# Altium PCB RTM_SFP.PcbDoc (part 2 of 5)
Units mm, origin at the board's own origin, x right, y up, seen from the top; angles counter-clockwise.
Board outline 182.5 x 148.5 mm, 4 copper layers (Top Layer, MidPlane_1, MidPlane_2, Bottom Layer), stack 1.614 mm thick; 376 components, 325 nets, 1560 pads, 1463 vias.
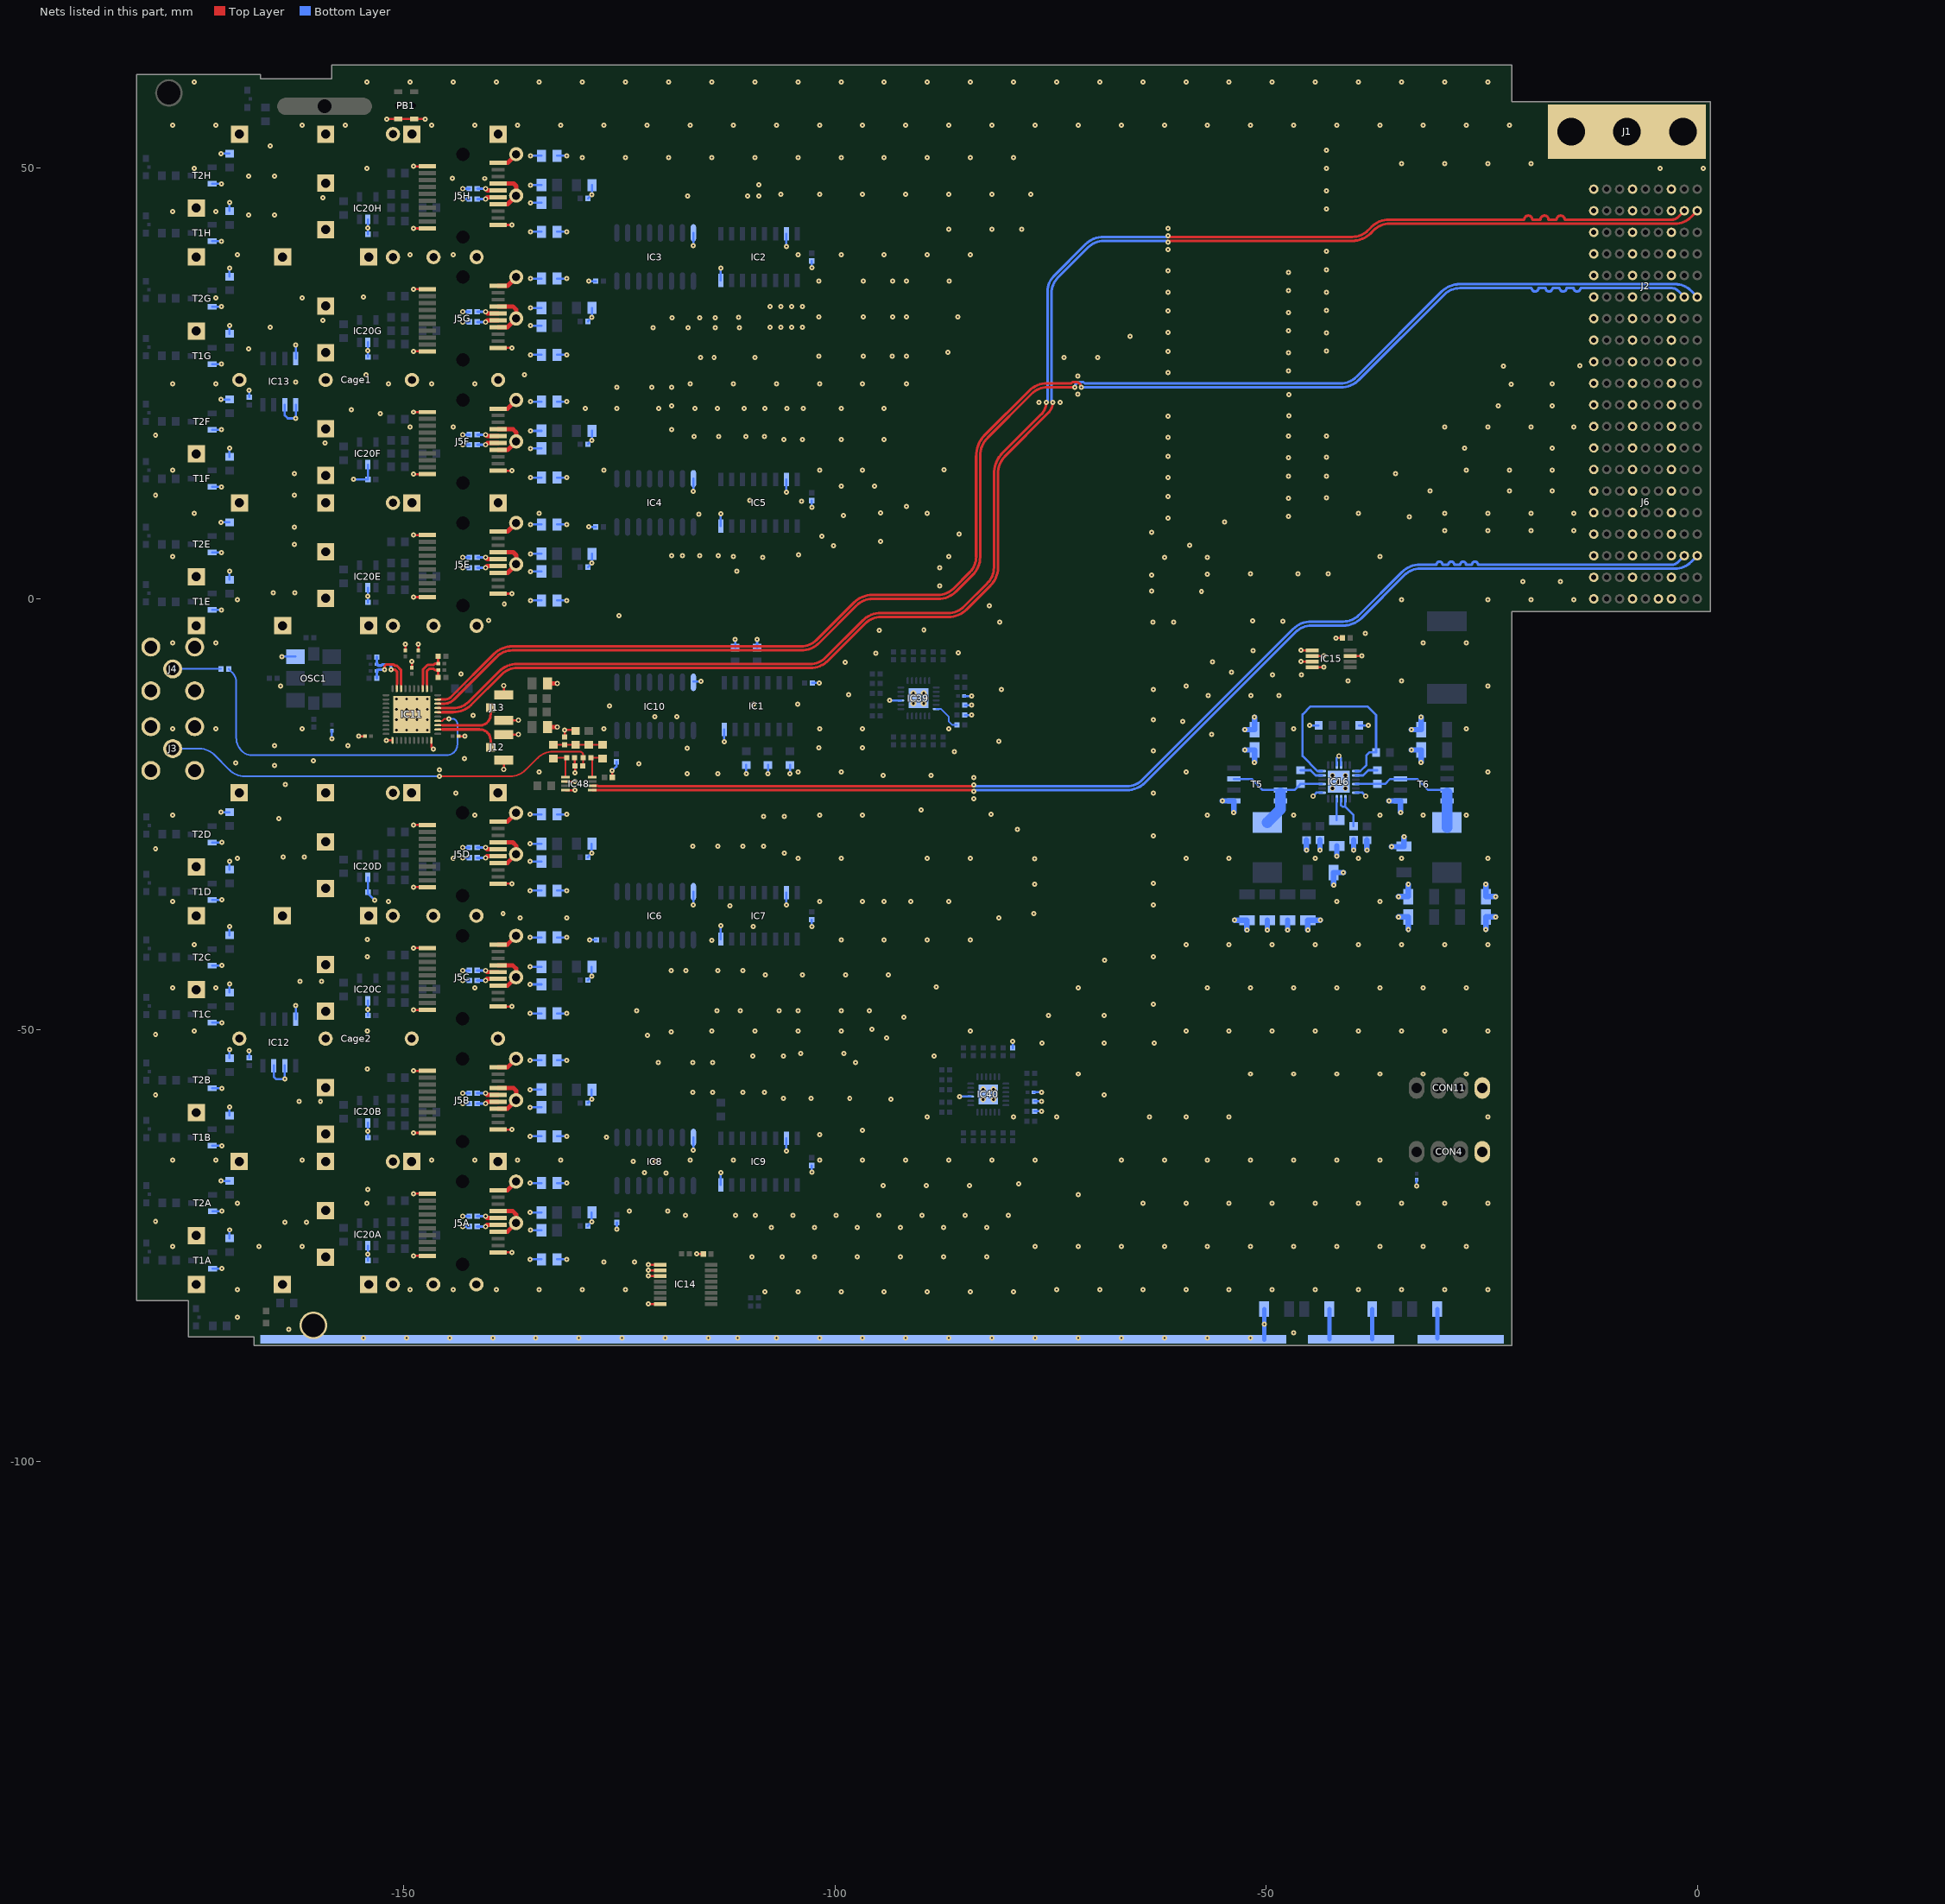
[diagram p4: the nets of this part, all layers, seen from the top]

## Footprints (in the part's own frame and the unit in brackets; to place one, negate y for a bottom-side part, rotate by r counter-clockwise, add the part's x,y. Pads: shape width x height; smd on the part's side, far side on the other; paste and mask are expansions set on the pad) (continued)
US8 [mm] "SOP, 0.50mm pitch; 8 pin, 2.30mm W X 2.00mm L X 0.90mm H body, PC Medium Density"
  rect 1x0.3 smd: 1(-1.55,0.75) 2(-1.55,0.25) 3(-1.55,-0.25) 4(-1.55,-0.75) 5(1.55,-0.75) 6(1.55,-0.25) 7(1.55,0.25) 8(1.55,0.75)
  silkscreen extent -1.82,-1 0.8,1.52, body extent -1.62,-1 1.62,1, height 0.9

## Part data
C1 C2 C3 C4 C5 C6 C7 C8 C16 C17 C18 C19 C20 C21 C22 C23 C25 C26 C27 C186A C186B C186C C186D C186E C186F C186G C186H C202A C202B C202C C202D C202E C202F C202G C202H C214A C214B C214C C214D C214E C214F C214G C214H C228A C228B C228C C228D C228E C228F C228G C228H: library part CC0402_100NF_16V_10%_X7R, "Non-polarised capacitor"
C9 C10 C12 C14: library part CC1206_10UF_16V_10%_X7R, "Non-polarised capacitor"
C11 C280: library part CC0603_100NF_50V_10%_X7R, "Non-polarised capacitor"
C13A C13B C13C C13D C13E C13F C13G C13H C24 C219A C219B C219C C219D C219E C219F C219G C219H C220A C220B C220C C220D C220E C220F C220G C220H C390: library part CC0805_10UF_10V_10%_X7R, "Non-polarised capacitor"
C15 C176 C179 C180 C181 C182 C207 C208 C209 C210 C213: library part CC1206_22UF_10V_10%_X7R, "Non-polarised capacitor"
C84 C386: library part CC0603_1UF_16V_10%_X7R, "Non-polarised capacitor"
C391 C392 C393 C394 C395 C396 C397 C399 C400 C401 C402 C403 C404: library part CC0201_100NF_6.3V_10%_X5R, "Non-polarised capacitor"
Cage1 Cage2: library part TYCO_2007132-1, "SFP+  1x4 Cage (46 Pins)"
CON4 CON11: library part CON_4_2.54_key
F1: library part FUSR_TYCO_SMD150F-2, "Fuse"
IC1: "Hex Inverter"
IC2 IC5 IC7 IC9: "8-Bit Parallel-In/Serial Out Shift Register"
IC3 IC4 IC6 IC8 IC10: library part 4094, "shift register"
IC11: library part CLOCK_CDCLVD1212, "Low Jitter, 2-Input Selectable 1:12 Universal-to-LVDS Buffer"
IC12 IC13: library part SENS_LM75, "I2C temperature sensor"
IC14: library part PCA9554D, "8-bit I2C-bus SMBus I/O port with interrupt"
IC15: "64K I2C Serial EEPROM"
IC16: "Dual Synchronous Step-Down Controller For Low Voltage Power Rails"
IC20A IC20B IC20C IC20D IC20E IC20F IC20G IC20H: "High-Speed Differential Line Receiver"
IC39 IC40: library part IIC_MUX_MAX7357ETG+, "8-channel I2C-bus multiplexer with reset, INT and timeout"
IC48: library part IFC_FIN1101K8X, "LVDS TO LVDS repeater3.3V"
J1: library part TYCO_1469265-1, "Single Pin Male"
J2 J6: library part TYCO_6469183-1, "Connector 60 ATCA Male 30 Pairs (60 Signals) + 3x10 Ground"
J3 J4: library part HUBER-SUHNER_85_SMA-50-0-101/111_NE
J5A J5B J5C J5D J5E J5F J5G J5H: library part TYCO_1888247-1, "20 Position SFP+ Connector (Small Form-factor Pluggable)"
J12 J13: library part HIROSE_U.FL-R-SMT-1(10)
L1 L2: library part IND2525_1.5UH_20%_VISHAY_IHLP-2525CZ, "Inductor With Magnetic core"
L5A L5B L5C L5D L5E L5F L5G L5H L11A L11B L11C L11D L11E L11F L11G L11H: library part IND0805_MURATA_BLM21PG221SN1D, "Inductor"
L19 L20: library part IND0603_TDK_MPZ1608R391A, "Inductor"
LD1A LD1B LD1C LD1D LD1E LD1F LD1G LD1H LDx: library part LED_AVAGO_HSME-C120, "LED Green 1C 2A"
LD2A LD2B LD2C LD2D LD2E LD2F LD2G LD2H: library part LED_AVAGO_HSMC-C120, "LED Red 1C 2A"
LDy: library part LED_AVAGO_HSME-C120, "LED BLUE"
LED17: library part LED_0603R, "LED 0603 red"
OSC1: library part OSC_10-280MHZ_SILICON-LAB_Si570BBC000121DG, "Any-Rate I2C Programmable XO Oscillator Si570 Serie"
PB1: library part SW_C&K_HDT0001, "Push-Button Switch SPDT"
R1A R1B R1C R1D R1E R1F R1G R1H R7 R8 R9 R11A R11B R11C R11D R11E R11F R11G R11H: library part R0603_330R_1%_0.1W_100PPM, "Resistor - 1%"
R2 R3 R4 R5 R6 R13 R105A R105B R105C R105D R105E R105F R105G R105H R109A R109B R109C R109D R109E R109F R109G R109H: library part R0603_100R_1%_0.1W_100PPM, "Resistor - 1%"
R10A R10B R10C R10D R10E R10F R10G R10H R12A R12B R12C R12D R12E R12F R12G R12H R400A R400B R400C R400D R400E R400F R400G R400H R403A R403B R403C R403D R403E R403F R403G R403H R404A R404B R404C R404D R404E R404F R404G R404H: library part R0603_10K_1%_0.1W_100PPM, "Resistor - 1%"
R14 R15 R16 R28 R29 R309 R310 R311 R316 R317 R318 R319 R320 R321 R322 R323 R324 R325 R326 R327 R328 R329 R330 R331 R332 R333 R334 R335 R336 R337 R338 R339 R340 R341 R342 R343 R344 R345 R346 R347 R348 R349 R350 R351 R352 R353 R354 R355 R356 R357: library part R0402_10K_1%_0.0625W_100PPM, "Resistor - 1%"
R17 R195: library part R0603_6K8_1%_0.1W_100PPM, "Resistor - 1%"
R18 R54: library part R0603_1K3_1%_0.1W_100PPM, "Resistor - 1%"
R19 R20 R21 R22: library part R1206_1M_1%_0.25W_100PPM, "Resistor - 1%"
R23 R24 R25 R26 R27 R246: library part R0603_5K1_1%_0.1W_100PPM, "Resistor - 1%"
R53 R391: library part R0603_4K3_1%_0.1W_100PPM, "Resistor - 1%"
R107A R107B R107C R107D R107E R107F R107G R107H: library part R0603_0R_JUMPER, "Resistor - 1%"
R211: library part RES_0402, "SMD Resistor"
R248: library part R0603_3K_1%_0.1W_100PPM, "Resistor - 1%"
R312 R313 R314 R315: library part R0402_49R9_1%_0.0625W_100PPM, "Resistor - 1%"
T1A T1B T1C T1D T1E T1F T1G T1H T2A T2B T2C T2D T2E T2F T2G T2H: "N-CHANNEL MOSFET WITH DIODE"
T5 T6: "Dual SO-8 MOSFET For POL Cconverter"

## Free pads (board coordinates)
  oval 11x2 hole 1.6 slot 10.6 at 0 deg: 0(-159.201,57.111)
  rect 10x1 smd far side paste-2540 mask+0.254: ESD_STRIP_SEGMENT_1(-40.15,-85.864) ESD_STRIP_SEGMENT_2(-27.45,-85.864)
  rect 119x1 smd far side paste-2540 mask+0.254: ESD_STRIP_SEGMENT_3(-107.151,-85.864)
  round 3.2 hole 2.7: MH1(-177.251,58.661) MH2(-160.501,-84.239)

## Via types
v1: diameter 0.6, hole 0.2, Top Layer to Bottom Layer, tented both sides, 1383 vias
v2: diameter 0.6, hole 0.3, Top Layer to Bottom Layer, tented both sides, 51 vias
v3: diameter 0.66, hole 0.33, Top Layer to Bottom Layer, tented top, 24 vias
v4: diameter 0.6, hole 0.4, Top Layer to Bottom Layer, tented both sides, 5 vias

## Nets (pads, with @x,y where several pads share a name; then routed paths per layer and width w, separated by ;. In a path a pad name is that pad's centre, name@x,y a point inside that pad or via, vN(x,y) a via of type N, cw(c..) or ccw(c..) an arc to the next point about the centre after c; other vN are vias at no path point)
CLK_EXT_N: IC48.5 J6.A3 | length 139
  Top Layer w0.305: IC48.5@-128.15,-22.19 -127.491,-22.19 -127.471,-22.17 -84.078,-22.17 v1(-83.93,-22.318)
  Bottom Layer w0.305: v1(-83.93,-22.318) -83.782,-22.17 -66.134,-22.17 ccw(c-66.134,-19.2) -64.034,-21.3 -46.567,-3.833 cw(c-44.771,-5.629) -44.771,-3.089 -41.046,-3.089 ccw(c-41.046,-0.093) -38.928,-2.212 -33.947,2.769 cw(c-32.151,0.973) -32.151,3.513 -2.539,3.513 ccw(c-2.539,6.053) -0.743,4.257 J6.A3@0,5
CLK_EXT_P: IC48.6 J6.B3 | length 138.9
  Top Layer w0.305: IC48.6@-128.15,-21.69 -127.491,-21.69 -127.468,-21.713 -84.078,-21.713 v1(-83.93,-21.565)
  Bottom Layer w0.305: v1(-83.93,-21.565) -83.782,-21.713 -66.145,-21.713 ccw(c-66.145,-19.173) -64.349,-20.969 -46.883,-3.503 cw(c-44.78,-5.606) -44.78,-2.632 -41.047,-2.632 ccw(c-41.047,-0.092) -39.251,-1.888 -34.271,3.092 cw(c-32.151,0.973) -32.151,3.97 -30.24,3.97 cw(c-29.897,3.97) -29.554,3.97 -28.868,3.97 cw(c-28.526,3.97) -28.183,3.97 -27.497,3.97 cw(c-27.154,3.97) -26.811,3.97 -26.125,3.97 cw(c-25.782,3.97) -25.439,3.97 -24.83,3.97 -2.933,3.97 ccw(c-2.933,4.943) -2.245,4.255 J6.B3@-1.5,5
EN_DC_DC: IC16.7 IC16.24 R17.2 | length 25.4
  Bottom Layer w0.254: IC16.24@-43.51,-19.97 -44.04,-19.97 -45.78,-18.23 -45.78,-13.41 -44.85,-12.48 -38.25,-12.48 -37.25,-13.48 R17.2@-37.25,-17.8 -38.04,-17.8 -38.37,-18.13 -38.37,-19.26 -39.08,-19.97 IC16.7@-39.61,-19.97
ESD1: pad.ESD_STRIP_SEGMENT_2 R19.1 | length 3.4
  Bottom Layer w0.5: pad.ESD_STRIP_SEGMENT_2@-30.15,-85.764 R19.1@-30.15,-82.339
ESD2: pad.ESD_STRIP_SEGMENT_1 R20.2 R21.1 | length 7.1
  Bottom Layer w0.5: pad.ESD_STRIP_SEGMENT_1@-42.675,-85.864 R21.1@-42.675,-82.339 ; pad.ESD_STRIP_SEGMENT_1@-37.7,-85.864 R20.2@-37.7,-82.339
EXT_CLK1_OUT_N: IC11.33 J13.1 | length 7.7
  Top Layer w0.254: IC11.33@-146.08,-14.66 -145.549,-14.66 -145.528,-14.681
  Top Layer w0.305: -145.528,-14.681 -141.21,-14.681 ccw(c-141.21,-13.431) -140.325,-14.315 ccw(c-141.243,-13.398) -139.945,-13.398 J13.1@-139.945,-12.61
EXT_CLK1_OUT_P: IC11.32 J12.1 | length 7.7
  Top Layer w0.254: IC11.32@-146.08,-15.16 -145.549,-15.16 -145.528,-15.139
  Top Layer w0.305: -145.528,-15.139 -141.221,-15.139 cw(c-141.221,-16.441) -140.3,-15.52 cw(c-141.157,-16.377) -139.945,-16.377 J12.1@-139.945,-17.21
FPGA_CLK1_N: IC11.39 J2.B5 | length 174.1
  Top Layer w0.254: IC11.39@-146.08,-11.66 -145.549,-11.66 -145.528,-11.681
  Top Layer w0.305: -145.528,-11.681 -145.31,-11.681 ccw(c-145.31,-10.574) -144.527,-11.357 -139.555,-6.385 cw(c-137.449,-8.491) -137.449,-5.513 -103.945,-5.513 ccw(c-103.945,-2.973) -102.149,-4.769 -97.803,-0.423 cw(c-95.696,-2.529) -95.696,0.45 -88.059,0.45 ccw(c-88.059,2.99) -86.263,1.194 -84.374,3.083 ccw(c-86.17,4.879) -83.63,4.879 -83.63,16.585 cw(c-80.215,16.585) -82.63,19 -77.507,24.123 cw(c-75.414,22.03) -75.414,24.99 -72.605,24.99 -72.457,25.138 -72.051,25.138 cw(c-72.051,24.533) v1(-71.447,24.533)
  Bottom Layer w0.305: v1(-71.447,24.533) -41.331,24.533 ccw(c-41.331,27.512) -39.224,25.406 -29.344,35.286 cw(c-27.548,33.49) -27.548,36.03 -19.22,36.03 ccw(c-18.813,36.056) -18.407,36.03 -17.594,36.03 ccw(c-17.188,36.056) -16.781,36.03 -15.968,36.03 ccw(c-15.562,36.056) -15.156,36.03 -14.343,36.03 ccw(c-13.936,36.056) -13.53,36.03 -2.933,36.03 cw(c-2.933,35.057) -2.245,35.745 J2.B5@-1.5,35
FPGA_CLK1_P: IC11.38 J2.A5 | length 174.1
  Top Layer w0.254: IC11.38@-146.08,-12.16 -145.549,-12.16
  Top Layer w0.305: -145.528,-12.139 -145.286,-12.139 ccw(c-145.286,-10.632) -144.221,-11.697 -139.237,-6.714 cw(c-137.441,-8.51) -137.441,-5.97 -103.937,-5.97 ccw(c-103.937,-2.991) -101.831,-5.097 -97.485,-0.751 cw(c-95.689,-2.547) -95.689,-0.007 -88.058,-0.007 ccw(c-88.058,2.989) -85.94,0.87 -84.032,2.778 ccw(c-86.106,4.852) -83.173,4.852 -83.173,16.569 cw(c-80.176,16.569) -82.295,18.688 -77.195,23.789 cw(c-75.399,21.993) -75.399,24.533 v1(-72.207,24.533)
  Bottom Layer w0.305: v1(-72.207,24.533) cw(c-71.602,24.533) -71.602,25.138 -71.196,25.138 -71.048,24.99 -41.339,24.99 ccw(c-41.339,27.53) -39.543,25.734 -29.664,35.612 cw(c-27.552,33.5) -27.552,36.487 -2.539,36.487 cw(c-2.539,33.947) -0.743,35.743 J2.A5@0,35
FPGA_CLK2_N: IC11.37 J2.B9 | length 185.3
  Top Layer w0.254: IC11.37@-146.08,-12.66 -145.549,-12.66 -145.528,-12.681
  Top Layer w0.305: -145.528,-12.681 -144.284,-12.681 ccw(c-144.284,-10.141) -142.487,-11.937 -138.975,-8.425 cw(c-136.869,-10.531) -136.869,-7.553 -102.895,-7.553 ccw(c-102.895,-5.013) -101.099,-6.809 -96.803,-2.513 cw(c-94.696,-4.619) -94.696,-1.64 -86.849,-1.64 ccw(c-86.849,0.9) -85.053,-0.896 -82.314,1.843 ccw(c-84.11,3.639) -81.57,3.639 -81.57,14.492 cw(c-78.139,14.492) -80.565,16.918 -76.089,21.394 ccw(c-77.485,22.79) v1(-75.511,22.79) ; v1(-61.37,42.121) -61.222,41.973 -39.995,41.973 ccw(c-39.995,44.513) -38.199,42.717 -37.8,43.116 cw(c-35.739,41.055) -35.739,43.97 ; -35.894,43.97 -20.07,43.97 cw(c-19.6,43.97) -19.13,43.97 -18.19,43.97 cw(c-17.721,43.97) -17.251,43.97 -16.311,43.97 cw(c-15.841,43.97) -15.371,43.97 -15.3,43.97 -2.933,43.97 ccw(c-2.933,44.943) -2.245,44.255 J2.B9@-1.5,45
  Bottom Layer w0.305: v1(-75.511,22.79) -75.363,22.938 -75.363,35.637 cw(c-72.823,35.637) -74.619,37.433 -70.936,41.117 cw(c-68.868,39.05) -68.868,41.973 -61.518,41.973 v1(-61.37,42.121)
FPGA_CLK2_P: IC11.36 J2.A9 | length 185.3
  Top Layer w0.254: IC11.36@-146.08,-13.16 -145.549,-13.16 -145.528,-13.139
  Top Layer w0.305: -145.528,-13.139 -144.273,-13.139 ccw(c-144.273,-10.166) -142.171,-12.268 -138.657,-8.754 cw(c-136.861,-10.55) -136.861,-8.01 -102.866,-8.01 ccw(c-102.866,-5.082) -100.796,-7.153 -96.485,-2.841 cw(c-94.689,-4.637) -94.689,-2.097 -86.848,-2.097 ccw(c-86.848,0.899) -84.73,-1.22 -81.967,1.543 ccw(c-84.031,3.606) -81.113,3.606 -81.113,14.482 cw(c-78.116,14.482) -80.235,16.602 -75.338,21.498 ; -75.341,21.501 ccw(c-76.477,22.79) v1(-74.758,22.79) ; v1(-61.37,41.368) -61.222,41.516 -39.986,41.516 ccw(c-39.986,44.491) -37.883,42.387 -37.501,42.769 cw(c-35.705,40.973) -35.705,43.513 -2.539,43.513 ccw(c-2.539,46.053) -0.743,44.257 J2.A9@0,45
  Bottom Layer w0.305: v1(-74.758,22.79) -74.906,22.938 -74.906,35.448 cw(c-72.366,35.448) -74.162,37.244 -70.634,40.772 cw(c-68.838,38.976) -68.838,41.516 -61.518,41.516 v1(-61.37,41.368)
GND: C1.2 C2.2 C3.2 C4.2 C6.2 C7.2 C8.2 C9.1 C10.1 C12.1 C13A.2 C13B.2 C13C.2 C13D.2 C13E.2 C13F.2 C13G.2 C13H.2 C14.1 C15.1 C16.2 C17.2 C19.1 C20.2 C21.2 C22.2 C23.2 C24.1 C25.2 C26.2 C27.2 C84.2 C176.1 C179.1 C180.1 C181.1 C182.1 C186A.2 C186B.2 C186C.2 C186D.2 C186E.2 C186F.2 C186G.2 C186H.2 C202A.1 C202B.1 C202C.1 C202D.1 C202E.1 C202F.1 C202G.1 C202H.1 C207.1 C208.1 C209.1 C210.1 C213.1 C214A.2 C214B.2 C214C.2 C214D.2 C214E.2 C214F.2 C214G.2 C214H.2 C219A.2 C219B.2 C219C.2 C219D.2 C219E.2 C219F.2 C219G.2 C219H.2 C220A.2 C220B.2 C220C.2 C220D.2 C220E.2 C220F.2 C220G.2 C220H.2 C228A.2 C228B.2 C228C.2 C228D.2 C228E.2 C228F.2 C228G.2 C228H.2 C386.1 C390.1 C391.1 C396.1 C397.1 C399.1 C400.1 C401.1 C402.1 C403.1 C404.1 Cage1.1 Cage1.2 Cage1.3 Cage1.4 Cage1.5 Cage1.6 Cage1.7 Cage1.8 Cage1.9 Cage1.10 Cage1.11 Cage1.12 Cage1.13 Cage1.14 Cage1.15 Cage1.16 Cage1.17 Cage1.18 Cage1.19 Cage1.20 Cage1.21 Cage1.22 Cage1.23 Cage1.24 Cage1.25 Cage1.26 Cage1.27 Cage1.28 Cage1.29 Cage1.30 Cage1.31 Cage1.32 Cage1.33 Cage1.34 Cage1.35 Cage1.36 Cage1.37 Cage1.38 Cage1.39 Cage1.40 Cage1.41 Cage1.42 Cage1.43 Cage1.44 Cage1.45 Cage1.46 Cage2.1 Cage2.2 Cage2.3 Cage2.4 Cage2.5 Cage2.6 Cage2.7 Cage2.8 Cage2.9 Cage2.10 Cage2.11 Cage2.12 Cage2.13 Cage2.14 Cage2.15 Cage2.16 Cage2.17 Cage2.18 Cage2.19 Cage2.20 Cage2.21 Cage2.22 Cage2.23 Cage2.24 Cage2.25 Cage2.26 Cage2.27 Cage2.28 Cage2.29 Cage2.30 Cage2.31 Cage2.32 Cage2.33 Cage2.34 Cage2.35 Cage2.36 Cage2.37 Cage2.38 Cage2.39 Cage2.40 Cage2.41 Cage2.42 Cage2.43 Cage2.44 Cage2.45 Cage2.46 CON4.1 CON11.1 IC1.7 IC2.8 IC2.15 IC3.8 IC4.8 IC5.8 IC5.15 IC6.8 IC7.8 IC7.15 IC8.8 IC9.8 IC9.15 IC10.8 IC11.21 IC11.30 IC11.41 IC12.4 IC12.6 IC12.7 IC13.4 IC13.5 IC13.6 IC14.1 IC14.2 IC14.3 IC14.8 IC15.1 IC15.2 IC15.3 IC15.4 IC15.7 IC16.3 IC16.4 IC16.12 IC16.19 IC16.25 IC20A.2 IC20B.2 IC20C.2 IC20D.2 IC20E.2 IC20F.2 IC20G.2 IC20H.2 IC39.9 IC39.25 IC40.9 IC40.25 IC48.2 IC48.4 J1.1 J2.BG1 J2.BG2 J2.BG3 J2.BG4 J2.BG5 J2.BG6 J2.BG7 J2.BG8 J2.BG9 J2.BG10 J2.DG1 J2.DG2 J2.DG3 J2.DG4 J2.DG5 J2.DG6 J2.DG7 J2.DG8 J2.DG9 J2.DG10 J2.FG1 J2.FG2 J2.FG3 J2.FG4 J2.FG5 J2.FG6 J2.FG7 J2.FG8 J2.FG9 J2.FG10 J3.2 J4.2 J5A.1 J5A.10 J5A.11 J5A.14 J5A.17 J5A.20 J5B.1 J5B.10 J5B.11 J5B.14 J5B.17 J5B.20 J5C.1 J5C.10 J5C.11 J5C.14 J5C.17 J5C.20 J5D.1 J5D.10 J5D.11 J5D.14 J5D.17 J5D.20 J5E.1 J5E.10 J5E.11 J5E.14 J5E.17 J5E.20 J5F.1 J5F.10 J5F.11 J5F.14 J5F.17 J5F.20 J5G.1 J5G.10 J5G.11 J5G.14 J5G.17 J5G.20 J5H.1 J5H.10 J5H.11 J5H.14 J5H.17 J5H.20 J6.BG1 J6.BG2 J6.BG3 J6.BG4 J6.BG5 J6.BG6 J6.BG7 J6.BG8 J6.BG9 J6.BG10 J6.C1 J6.DG1 J6.DG2 J6.DG3 J6.DG4 J6.DG5 J6.DG6 J6.DG7 J6.DG8 J6.DG9 J6.DG10 J6.FG1 J6.FG2 J6.FG3 J6.FG4 J6.FG5 J6.FG6 J6.FG7 J6.FG8 J6.FG9 J6.FG10 J12.2 J13.2 OSC1.3 pad.ESD_STRIP_SEGMENT_3 pad.MH2 PB1.3 PB1.4 R2.1 R3.1 R4.1 R5.1 R10A.1 R10B.1 R10C.1 R10D.1 R10E.1 R10F.1 R10G.1 R10H.1 R12A.1 R12B.1 R12C.1 R12D.1 R12E.1 R12F.1 R12G.1 R12H.1 R13.1 R18.1 R22.2 R26.1 R54.2 R211.2 R246.1 R248.1 R326.1 R327.1 R347.1 R348.1 R349.1 T1A.2 T1B.2 T1C.2 T1D.2 T1E.2 T1F.2 T1G.2 T1H.2 T2A.2 T2B.2 T2C.2 T2D.2 T2E.2 T2F.2 T2G.2 T2H.2 T5.1 T6.1 | length 350.8
  Top Layer w0.254: v1(-155.24,-15.92) C399.1@-154.51,-15.92 ; v1(-152.04,-16.41) IC11.21@-151.33,-16.41 ; v1(-151.976,55.636) PB1.3@-150.676,55.636 PB1.4@-148.826,55.636 v1(-147.526,55.636) ; C397.1@-149.83,-6 v1(-149.83,-5.27) ; C400.1@-149.08,-7.97 v1(-149.08,-7.24) ; v1(-148.898,-76.174) J5A.10@-147.29,-76.174 ; v1(-148.898,-68.974) J5A.1@-147.29,-68.974 ; v1(-148.898,-61.924) J5B.10@-147.29,-61.924 ; v1(-148.898,-54.724) J5B.1@-147.29,-54.724 ; v1(-148.898,-47.674) J5C.10@-147.29,-47.674 ; v1(-148.898,-40.474) J5C.1@-147.29,-40.474 ; v1(-148.898,-33.424) J5D.10@-147.29,-33.424 ; v1(-148.898,-26.224) J5D.1@-147.29,-26.224 ; v1(-148.884,0.206) J5E.10@-147.275,0.206 ; v1(-148.884,7.406) J5E.1@-147.275,7.406 ; v1(-148.884,14.456) J5F.10@-147.275,14.456 ; v1(-148.884,21.656) J5F.1@-147.275,21.656 ; v1(-148.884,28.706) J5G.10@-147.275,28.706 ; v1(-148.884,35.906) J5G.1@-147.275,35.906 ; v1(-148.884,42.956) J5H.10@-147.275,42.956 ; v1(-148.884,50.156) J5H.1@-147.275,50.156 ; C396.1@-148.33,-6 v1(-148.33,-5.27) ; IC11.30@-146.83,-16.41 -146.83,-17.16 v1(-146.57,-17.42) ; C401.1@-143.65,-15.92 v1(-142.92,-15.92) ; J5A.11@-139.09,-75.774 v1(-137.481,-75.774) ; J5B.11@-139.09,-61.524 v1(-137.481,-61.524) ; J5C.11@-139.09,-47.274 v1(-137.481,-47.274) ; J5D.11@-139.09,-33.024 v1(-137.481,-33.024) ; J5E.11@-139.075,0.606 v1(-137.467,0.606) ; J5F.11@-139.075,14.856 v1(-137.467,14.856) ; J5G.11@-139.075,29.106 v1(-137.467,29.106) ; J5H.11@-139.075,43.356 v1(-137.467,43.356) ; v2(-138.42,-19.785) J12.2@-138.42,-18.685 ; J12.2@-138.42,-15.735 v2(-136.72,-15.735) ; J13.2@-138.42,-14.085 v2(-136.72,-14.085) ; J13.2@-138.42,-11.135 v2(-138.42,-10.035) ; C16.2@-131.36,-16.02 v1(-131.36,-15.21) -130.2,-15.21 R26.1@-130.09,-15.32 ; IC48.4@-131.25,-22.19 v1(-130.163,-22.19) ; IC48.2@-131.25,-21.19 v1(-130.163,-21.19) ; R211.2@-130.213,-19.33 C19.1@-130.213,-18.42 ; v1(-130.163,-20.153) R211.2@-130.163,-19.38 ; C17.2@-125.84,-20.69 v1(-125.84,-19.91) ; v1(-121.635,-81.765) IC14.8@-120.28,-81.765 ; v1(-121.635,-78.515) IC14.3@-120.28,-78.515 ; v1(-121.635,-77.865) IC14.2@-120.28,-77.865 ; v1(-121.635,-77.215) IC14.1@-120.28,-77.215 ; v1(-116.04,-75.96) C26.2@-115.28,-75.96 ; v1(-45.965,-7.265) IC15.3@-44.64,-7.265 ; v1(-45.965,-5.965) IC15.1@-44.64,-5.965 ; IC15.4@-44.64,-7.915 v1(-43.315,-7.915) ; IC15.2@-44.64,-6.615 v1(-43.315,-6.615) ; v1(-41.92,-4.53) C27.2@-41.14,-4.53 ; IC15.7@-40.24,-6.615 v1(-38.905,-6.615)
  Top Layer w0.5: J5A.14@-139.09,-73.374 -137.995,-73.374 Cage2.43@-136.99,-72.369 -136.99,-71.38 -137.396,-70.974 J5A.17@-139.09,-70.974 ; J5A.20@-139.09,-68.574 -137.995,-68.574 Cage2.42@-136.99,-67.569 ; J5B.14@-139.09,-59.124 -137.995,-59.124 Cage2.40@-136.99,-58.119 -136.99,-57.02 -137.286,-56.724 J5B.17@-139.09,-56.724 ; J5B.20@-139.09,-54.324 -137.995,-54.324 Cage2.39@-136.99,-53.319 ; J5C.14@-139.09,-44.874 -137.995,-44.874 Cage2.34@-136.99,-43.869 -136.99,-42.87 -137.386,-42.474 J5C.17@-139.09,-42.474 ; J5C.20@-139.09,-40.074 -137.995,-40.074 Cage2.33@-136.99,-39.069 ; J5D.14@-139.09,-30.624 -137.995,-30.624 Cage2.29@-136.99,-29.619 -136.99,-28.61 -137.376,-28.224 J5D.17@-139.09,-28.224 ; J5D.20@-139.09,-25.824 -137.995,-25.824 Cage2.28@-136.99,-24.819 ; J5E.14@-139.075,3.006 -137.98,3.006 Cage1.43@-136.975,4.011 -136.975,5.065 -137.316,5.406 J5E.17@-139.075,5.406 ; J5E.20@-139.075,7.806 -137.98,7.806 Cage1.42@-136.975,8.811 ; J5F.14@-139.075,17.256 -137.98,17.256 Cage1.40@-136.975,18.261 -136.975,19.295 -137.336,19.656 J5F.17@-139.075,19.656 ; J5F.20@-139.075,22.056 -137.98,22.056 Cage1.39@-136.975,23.061 ; J5G.14@-139.075,31.506 -137.98,31.506 Cage1.34@-136.975,32.511 -136.975,33.525 -137.356,33.906 J5G.17@-139.075,33.906 ; J5G.20@-139.075,36.306 -137.98,36.306 Cage1.33@-136.975,37.311 ; J5H.14@-139.075,45.756 -137.98,45.756 Cage1.29@-136.975,46.761 -136.975,47.865 -137.266,48.156 J5H.17@-139.075,48.156 ; J5H.20@-139.075,50.556 -137.98,50.556 Cage1.28@-136.975,51.561 ; C24.1@-133.33,-14.87 v2(-132.23,-14.87) ; C390.1@-133.33,-9.82 v2(-132.23,-9.82)